# Altium PCB MAINBOARD_PCB.PcbDoc (part 2 of 5)
Units mm, origin at the board's own origin, x right, y up, seen from the top; angles counter-clockwise.
Board outline 480.55 x 38.8 mm, 4 copper layers (Top Layer, Int1 (GND), Int2 (PWR), Bottom Layer), stack 1.547 mm thick; 399 components, 366 nets, 1333 pads, 1063 vias.
Unrouted connection lines stored in the file: 46.
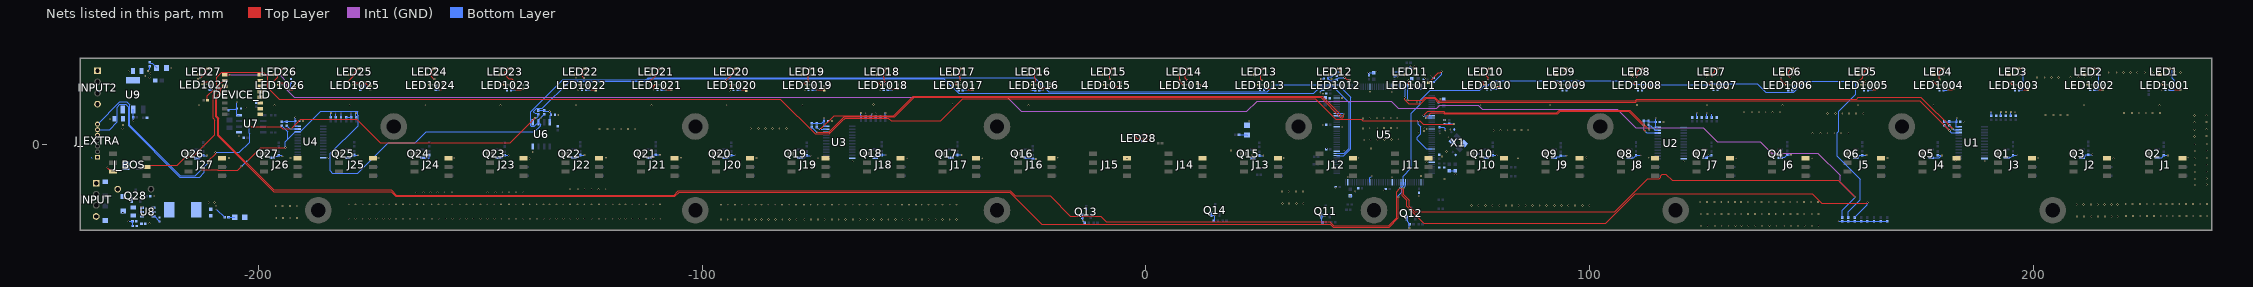
[diagram p4: the nets of this part, all layers, seen from the top]

## Part data
C1 C2 C3 C4 C8 C10 C12 C14 C16 C17 C18 C19 C20 C22 C23 C24 C25 C26 C27 C28 C29 C32 C33 C34 C40 C41 C42 C43 C44 C45 C46 C47 C48 C49 C50 C51 C52 C53 C54 C55 C56 C57 C58 C59 C60 C61 C62 C63 C64 C65: library part CAP_GEN_CER, "100nF 0402 Ceramic Capacitor", Voltage=10V, Part Number=CL05B104KP5NNNC, Place=POP
C5 C6 C7 C9 C11 C13 C15: library part CAP_GEN_CER, "2.2uF 0603 Ceramic Capacitor", Voltage=10V, Part Number=CL10A225KP8NNNC, Place=POP
C21 C37: library part CAP_GEN_CER, "4,7uF 0603 Ceramic Capacitor", Voltage=6.3V, Part Number=CL10A475KP8NNNC, Place=POP
C30 C31: library part CAP_GEN_CER, "18pF 0402 Ceramic Capacitor", Voltage=50V, Part Number=CC0402JRNPO9BN180, Place=POP
C35 C38 C39: library part CAP_GEN_CER, "10uF 0805 Ceramic Capacitor", Voltage=16V, Part Number=CL21A106KOQNNNE, Place=POP
C36: library part CAP_GEN_CER, "100pF 0402 Ceramic Capacitor", Voltage=50V, Part Number=CC0402JRNPO9BN101, Place=POP
C6006 C6007: library part CAP_GEN_CER, "Generic"
D1 D2: "Unidirectional TVS DIODE 200W 16V-17.8V SOD-123", Manufacturer="ANBON SEMI", Operating Temp.="-55°C ~ 150°C", Package=SOD-123F, Power=200W, Tolerance=N/A, Voltage=17.8V, Part Number=SMF16CA, Place=POP
D3: "TVS DIODE 200W 14.4V-15.9V SOD-123", Manufacturer="ANBON SEMI", Operating Temp.="-55°C ~ 150°C", Package=SOD-123F, Power=200W, Tolerance=N/A, Voltage=14.4V, Part Number=SMF13A, Place=POP
D4 D5 D6: library part LED_GEN, Manufacturer=Broadcom, Package=0805, Voltage=3.3V, Part Number=HSMM-C170, Place=POP
DEVICE_ID: "Dip Switch SPST 8 Position Surface Mount Slide (Standard) Actuator 100mA 20VDC", Manufacturer=CST, Operating Temp.="-40°C ~ 85°C", Power=N/A, Package=218-8LPST, Part Number=218-8LPST, Place=POP, Tolerance=N/A, Voltage=N/A
INPUT INPUT2: "CONN HEADER VERT 4POS 2.5MM", Manufacturer=JST, Operating Temp.=N/A, Package=B4B-XH-A, Part Number=B4B-XH-A, Place=POP, Power=N/A, Tolerance=N/A, Voltage=N/A
J1 J2 J3 J4 J5 J6 J7 J8 J9 J10 J11 J12 J13 J14 J15 J16 J17 J18 J19 J20 J21 J22 J23 J24 J25 J26 J27 J_BOS: "CONN EDGE DUAL FMALE 6POS 0.024", Manufacturer="KYOCERA AVX", Operating Temp.=-40~+85, Package=Special, Power=N/A, Part Number=009159006651906, Place=POP, Tolerance=N/A, Voltage=N/A
J_EXTRA: "Connector Header Through Hole 7 position 0.049 (1.25mm)", Package=None, Digi-Key_Part_Number=A99919-ND, DigiKey-Purchase-URL=https://snapeda.com/shop?store=DigiKey&id=2374857, EU_RoHS_Compliance=Compliant, MF="TE Connectivity", Mouser-Purchase-URL=https://snapeda.com/shop?store=Mouser&id=2374857, MP=1734598-7, SnapEDA_Link=https://www.snapeda.com/parts/1734598-7/TE%20Connectivity%20AMP%20Connectors/view-part/2374857/?ref=snap
L1: library part IND_GEN_SMD, "Generic SMD IND/BEAD", Manufacturer=TDK, Operating Temp.="-55°C ~ 125°C", Package=0603, Power=2.2A, Tolerance=N/A, Part Number=MPZ1608S221ATA00, Place=POP, Voltage=N/A
L2: "FIXED IND 10UH 4A 68 MOHM SMD", Current=4, Manufacturer=PULSE, Operating Temp.="-55°C ~ 125°C", Package=IND_YAGEO, Power=N/A, Tolerance=±20%, Part Number=BMRB00060630100MA1, Place=POP
LED1 LED2 LED3 LED4 LED5 LED6 LED7 LED8 LED9 LED10 LED11 LED12 LED13 LED14 LED15 LED16 LED17 LED18 LED19 LED20 LED21 LED22 LED23 LED24 LED25 LED26 LED27 LED28: "ADDRESS LED DISCRETE SERIAL RGB", Manufacturer=Inolux, Operating Temp.="-40°C ~ 85°C", Power=N/A, Package=IN-PI22TAT5R5G5B, Part Number=IN-PI22TAT5R5G5B, Place=P, Tolerance=N/A, Voltage=N/A
LED1001 LED1002 LED1003 LED1004 LED1005 LED1006 LED1007 LED1008 LED1009 LED1010 LED1011 LED1012 LED1013 LED1014 LED1015 LED1016 LED1017 LED1018 LED1019 LED1020 LED1021 LED1022 LED1023 LED1024 LED1025 LED1026 LED1027: "Addressable Lighting series 1 LED Discrete Serial (Shift Register) Red, Green, Blue (RGB) 3.00mm L x 1.00mm W", Package="SMD-4 Everlight Electronics Co Ltd", Availability="In Stock", Check_prices=https://www.snapeda.com/parts/12-23C/RSGHBHW-5V01/2C/Everlight+Electronics+Co+Ltd/view-part/?ref=eda, MF="Everlight Electronics Co Ltd", MP=12-23C/RSGHBHW-5V01/2C, Part Number=12-23C/RSGHBHW-5V01/2C, Place=DNP, Price=None, Purchase-URL=https://pricing.snapeda.com/search/part/12-23C/RSGHBHW-5V01/2C/?ref=eda, SnapEDA_Link=https://www.snapeda.com/parts/12-23C/RSGHBHW-5V01/2C/Everlight+Electronics+Co+Ltd/view-part/?ref=snap
Q1 Q2 Q3 Q4 Q5 Q6 Q7 Q8 Q9 Q10 Q11 Q12 Q13 Q14 Q15 Q16 Q17 Q18 Q19 Q20 Q21 Q22 Q23 Q24 Q25 Q26 Q27 Q28: "P-Channel 30 V 4.1A (Ta) 1.2W (Ta) Surface Mount SOT-23", Manufacturer="Good-Ark Semiconductor", Operating Temp.="-55°C ~ 150°C", Package=SOT-23, Power="1200 mW", Tolerance=N/A, Voltage="30 V", Part Number=GSF3407, Place=POP
R1 R2 R3 R4 R6 R8 R10 R11 R12 R13 R14 R15 R16 R18 R20 R22 R23 R24 R25 R26 R27 R28 R30 R32 R34 R35 R36 R37 R38 R39 R40 R42 R44 R46 R47 R48 R49 R50 R51 R52 R54 R56 R58 R59 R60 R61 R62 R63 R64 R66 R68 R70 R71 R72 R73 R74 R75 R76 R78 R80 R82 R83 R84 R85 R86 R87 R88 R90 R92 R94 R95 R96 R97 R98 R99 R100 R102 R104 R106 R107 R108 R147 R148 R158 R2001 R2002 R2003 R2004 R2005 R2006 R2007 R2008 R2009 R2010 R2011 R2012 R2013 R2014 R2015 R2016 R2017 R2018 R2019 R2020 R2021 R2022 R2023 R2024 R2025 R2026 R2027 R3001: library part RES_GEN_SMD, "Generic Chip Res 100R", Tolerance="5 %", Part Number=RMCF0402JT100R
  R1 R2 R3 R4 R6 R8 R10 R11 R12 R13 R14 R15 R16 R18 R20 R22 R23 R24 R25 R26 R27 R28 R30 R32 R34 R35 R36 R37 R38 R39 R40 R42 R44 R46 R47 R48 R49 R50 R51 R52 R54 R56 R58 R59 R60 R61 R62 R63 R64 R66 R68 R70 R71 R72 R73 R74 R75 R76 R78 R80 R82 R83 R84 R85 R86 R87 R88 R90 R92 R94 R95 R96 R97 R98 R99 R100 R102 R104 R106 R107 R108 R147 R148 R158: Place=POP
  R2001 R2002 R2003 R2004 R2005 R2006 R2007 R2008 R2009 R2010 R2011 R2012 R2013 R2014 R2015 R2016 R2017 R2018 R2019 R2020 R2021 R2022 R2023 R2024 R2025 R2026 R2027 R3001: Place=DNP
R5 R7 R9 R17 R19 R21 R29 R31 R33 R41 R43 R45 R53 R55 R57 R65 R67 R69 R77 R79 R81 R89 R91 R93 R101 R103 R105 R153: library part RES_GEN_SMD, "Generic Chip Res 158k", Package=0402, Tolerance=5%, Part Number=RMCF0402JT100K, Place=POP
R109 R110 R111 R112 R113 R114 R115 R116 R117 R118 R119 R120 R121 R122 R123 R124 R125 R126 R127 R128 R129 R130 R131 R132 R133 R134 R135 R136 R137 R138 R139 R140 R141 R142 R143 R144 R145 R146 R149 R160 R161 R162 R163 R164 R165 R166 R167 R168: library part RES_GEN_SMD, "Generic Chip Res 2k2", Tolerance="5 %", Part Number=RMCF0402JT2K20
  R109 R111 R113 R116 R118 R120 R122 R124 R126 R129 R131 R132 R134 R168: Place=DNP
  R110 R112 R114 R115 R117 R119 R121 R123 R125 R127 R128 R130 R133 R135 R136 R137 R138 R139 R140 R141 R142 R143 R144 R145 R146 R149 R160 R161 R162 R163 R164 R165 R166 R167: Place=POP
R150: "Inrush Current Limiter 5 Ohms ±20% 3 A", Manufacturer=Cantherm, Operating Temp.="-65°C ~ 150°C", Power=N/A, Tolerance=20, Package=MF72-005D9, Part Number=MF72-005D9, Place=DNP, Voltage=N/A
R151: library part RES_GEN_SMD, "Generic Chip Res 158k", Package=0402, Tolerance=1%, Part Number=RMCF0402FT158K, Place=POP
R152 R155 R157: library part RES_GEN_SMD, "Generic Chip Res 3k0", Tolerance="1 %", Part Number=RMCF0402FT3K00, Place=POP
R154: library part RES_GEN_SMD, "Generic Chip Res 30k", Package=0402, Tolerance=5%, Part Number=RMCF0402JT30K0, Place=POP
R156: library part RES_GEN_SMD, "Generic Chip Res 2k0", Tolerance="1 %", Part Number=RMCF0402FT2K00, Place=POP
R1001 R1002: library part RES_GEN_SMD, "Generic Chip Res", Part Number=RMCF0402JT2K20, Place=P
R1150: library part RES_GEN_SMD, "Generic Chip Res 0R"
R_TERM: library part RES_GEN_SMD, "RES 120 OHM 5% 1/2W 0805", Tolerance="5 %", Part Number=ESR10EZPJ121, Place=DNP
U1 U2 U3 U4: "IC BUS SWITCH 1 X 8:1 24TSSOP", Manufacturer="Texas Instruments", Operating Temp.="-40°C ~ 85°C", Package=24-TSSOP, Power=N/A, Part Number=TCA9548APWR, Place=P, Tolerance=N/A, Voltage=N/A
U5: "ARM® Cortex®-M33 STM32H5 Microcontroller IC 32-Bit 250MHz 2MB (2M x 8) FLASH 144-LQFP (20x20) / )", Manufacturer=STM, Operatin Temp.="-40°C ~ 85°", Package=LQFP-144, Power=N/A, Voltage="1.7-3.6 V", Part Number=STM32H563ZIT6, Place=P, Tolerance=N/A
U6: "IC EEPROM 256KBIT I2C 1MHZ 8SO", Manufacturer=STM, Operating Temp.="-40°C ~ 85°C", Package=8-SOIC, Power=N/A, Voltage="1.6V ~ 5.5V", Part Number=M24256E-FMN6TP, Place=POP, Tolerance=N/A
U7: "1/1 Transceiver Half RS422, RS485 8-SOIC", Manufacturer="MaxLinear, Inc.", Operating Temp.="-40°C ~ 85°C", Package=8-SOIC, Power=N/A, Voltage="4.5V ~ 5.5V", Part Number=SP3082EEN-L, Place=POP, Tolerance=N/A
U8: "IC REG BUCK ADJ 2A TSOT23-6 / 3.8V to 32V", Manufacturer="Diodes Incorporated", Operatin Temp.="-40°C ~ 85", Package=TSOT-23-6, Power=N/A, Voltage=ADJ, Part Number=AP63200WU-7, Place=POP, Tolerance=N/A
U9: "IC LDO REG ADJ 1A SOT223", Manufacturer=EVVO, Operating Temp.="-40°C ~ 85°C", Package=SOT-223-3, Power=N/A, Voltage=ADJ, Part Number=AMS1117-ADJ, Place=POP, Tolerance=N/A
X1: library part XTAL-4PINs, "16 MHz ±10ppm Crystal 9pF 40 Ohms 4-SMD, No Lead", Manufacturer="Hefei Jingweite Electronics Co., Ltd.", Operating Temp.="-40°C ~ 125°C", Power=N/A, Tolerance=±10ppm, Part Number=CF4016M00009T1521005, Place=POP, Voltage=N/A

## Free pads (board coordinates)
  round 6 hole 3.2: MP(-186.596,-14.875) MP(-169.596,4) MP(-101.596,-14.875) MP(-101.596,4) MP(-33.596,-14.875) MP(-33.596,4) MP(34.404,4) MP(51.404,-14.875) MP(102.404,4) MP(119.404,-14.875) MP(170.404,4) MP(204.404,-14.875)

## Via types
v1: diameter 0.4, hole 0.2, Top Layer to Bottom Layer, tented both sides, 1063 vias

## Nets (pads, with @x,y where several pads share a name; then routed paths per layer and width w, separated by ;. In a path a pad name is that pad's centre, name@x,y a point inside that pad or via, vN(x,y) a via of type N, cw(c..) or ccw(c..) an arc to the next point about the centre after c; other vN are vias at no path point)
3V3_INT: C1.2 C2.2 C3.2 C4.2 C32.2 C39.2 L1.1 Q1.2 Q2.2 Q3.2 Q4.2 Q5.2 Q6.2 Q7.2 Q8.2 Q9.2 Q10.2 Q11.2 Q12.2 Q13.2 Q14.2 Q15.2 Q16.2 Q17.2 Q18.2 Q19.2 Q20.2 Q21.2 Q22.2 Q23.2 Q24.2 Q25.2 Q26.2 Q27.2 R5.2 R7.2 R9.2 R17.2 R19.2 R21.2 R29.2 R31.2 R33.2 R41.2 R43.2 R45.2 R53.2 R55.2 R57.2 R65.2 R67.2 R69.2 R77.2 R79.2 R81.2 R89.2 R91.2 R93.2 R101.2 R103.2 R105.2 R109.2 R111.2 R113.2 R115.2 R116.2 R118.2 R121.2 R122.2 R124.2 R127.2 R128.2 R129.2 R136.2 R137.2 R138.1 R139.1 R140.1 R141.1 R142.1 R143.1 R144.1 R145.1 R155.2 R156.2 R160.2 R161.2 R162.2 R163.2 R164.2 R165.2 R166.2 R167.2 U1.24 U2.24 U3.24 U4.24 U6.8 U9.2 U9.4 | length 122.5
  Bottom Layer w0.2: U9.2@-228.356,7.886 R156.2@-228.356,6.05 -228.325,6.019 v1(-228.325,5.375) ; v1(-224.981,16.55) -224.556,16.975 R155.2@-224.556,17.625 ; Q26.2@-214.004,-3.112 -213.916,-3.024 -213.056,-3.024 -212.544,-2.512 R105.2@-212.544,-2.487 -212.481,-2.55 v1(-211.706,-2.55) ; Q27.2@-196.991,-3.075 -196.623,-3.075 -196.248,-2.7 -195.706,-2.7 -195.531,-2.525 R103.2@-195.531,-2.5 -194.91,-2.5 -194.735,-2.675 v1(-194.681,-2.675) ; R166.2@-194.806,5.05 -194.3,5.05 -194.125,5.225 C4.2@-191.756,5.225 ; v1(-191.781,6.05) -191.769,6.037 -191.769,5.238 C4.2@-191.756,5.225 ; U4.24@-191.277,4.1 -191.678,4.1 -191.756,4.178 C4.2@-191.756,5.225 ; R129.2@-183.756,6.075 -183.775,6.094 -183.775,7.031 v1(-183.756,7.05) ; R127.2@-181.481,6.075 -181.425,6.131 -181.425,6.969 v1(-181.456,7) ; Q25.2@-179.991,-3.075 -179.853,-2.937 -179.043,-2.937 -178.731,-2.625 -178.706,-2.625 -178.531,-2.45 R101.2@-178.531,-2.425 -178.506,-2.45 v1(-177.681,-2.45) ; R128.2@-178.081,6.075 -178.175,6.169 -178.12,6.224 -178.12,6.987 v1(-178.081,7.025) ; Q24.2@-163.016,-3.075 -161.981,-3.075 v1(-161.581,-3.475) -161.569,-3.463 -161.569,-2.438 R93.2@-161.556,-2.425 ; Q23.2@-146.031,-3.075 -145.993,-3.037 -145.084,-3.037 -144.571,-2.525 R91.2@-144.571,-2.5 v1(-143.656,-2.5) ; R136.2@-136.981,7.6 -136.956,7.625 R137.2@-135.681,7.625 -135.681,7.6 -135.506,7.425 -134.531,7.425 v1(-134.506,7.4) -134.153,7.046 -134.153,6.671 C32.2@-134.131,6.65 -134.281,6.5 -134.281,5.142 U6.8@-134.433,4.99 ; Q22.2@-128.991,-3.075 -128.853,-2.937 -128.043,-2.937 -127.531,-2.425 R89.2@-127.531,-2.4 -127.506,-2.425 v1(-126.581,-2.425) ; Q21.2@-111.966,-3.075 -111.725,-3.075 -111.65,-3 -111.523,-3 -110.898,-2.375 v1(-109.556,-2.375) ; Q20.2@-94.991,-3.075 -94.928,-3.012 -94.043,-3.012 -93.531,-2.5 R79.2@-93.531,-2.475 v1(-92.606,-2.475) ; Q19.2@-77.984,-3.075 -77.921,-3.012 -77.036,-3.012 -76.524,-2.5 R77.2@-76.524,-2.475 -76.424,-2.575 v1(-75.581,-2.575) ; R165.2@-75.331,4.75 -73.081,4.75 C3.2@-72.581,5.25 ; v1(-72.581,5.975) C3.2@-72.581,5.25 ; U3.24@-72.077,4.025 -72.275,4.025 -72.325,4.075 -72.553,4.075 -72.581,4.103 C3.2@-72.581,5.25 ; R124.2@-64.256,6.2 v1(-64.256,7.075) ; R122.2@-62.056,6.2 -61.881,6.375 -61.881,6.74 -61.8,6.821 v1(-61.8,6.875) ; Q18.2@-61.016,-3.025 -60.678,-3.025 -60.053,-2.4 R69.2@-59.556,-2.4 v1(-58.681,-2.4) ; R121.2@-58.756,6.2 -58.744,6.213 -58.744,7.063 v1(-58.731,7.075) ; Q17.2@-43.959,-3.075 -43.59,-3.075 -43.59,-2.917 -43.074,-2.4 R67.2@-42.499,-2.4 -42.492,-2.393 v1(-41.525,-2.393) ; Q16.2@-26.991,-3.075 -26.966,-3.1 -25.719,-3.1 -25.544,-3.275 R65.2@-25.544,-3.3 v1(-24.806,-3.3) ; Q13.2@-14.381,-16.19 -14.27,-16.302 -14.27,-17.162 v1(-14.231,-17.2) R57.2@-13.781,-17.65 ; Q14.2@14.669,-15.79 14.669,-15.896 14.848,-16.075 14.973,-15.95 v1(15.45,-15.95) 15.45,-17.094 R55.2@15.294,-17.25 ; v1(23.919,-2.55) 23.919,-2.979 Q15.2@24.049,-3.109 ; R53.2@25.519,-2.534 25.535,-2.55 v1(26.419,-2.55) ; Q11.2@39.551,-16.103 Q11.2@39.598,-16.15 ; R45.2@40.001,-17.387 39.913,-17.475 39.688,-17.475 39.601,-17.387 39.601,-16.153 Q11.2@39.598,-16.15 ; v1(40.275,-16.15) Q11.2@39.598,-16.15 ; Q12.2@58.825,-16.534 58.963,-16.672 58.963,-17.482 59.275,-17.794 59.275,-17.819 59.45,-17.994 R43.2@59.475,-17.994 59.4,-18.069 v1(59.4,-18.894) ; Q10.2@76.684,-3.075 77.052,-3.075 77.427,-2.7 77.969,-2.7 78.144,-2.525 R41.2@78.144,-2.5 78.169,-2.475 v1(78.994,-2.475) ; Q9.2@92.009,-3.075 92.377,-3.075 92.652,-2.8 93.294,-2.8 93.469,-2.625 R33.2@93.469,-2.6 v1(94.794,-2.6) ; Q8.2@109.009,-3.075 109.097,-2.987 109.957,-2.987 110.494,-2.45 v1(111.544,-2.45) ; R163.2@112.194,5.25 R162.2@113.294,5.25 113.294,5.225 113.469,5.05 C2.2@114.919,5.05 ; v1(114.919,5.95) C2.2@114.919,5.05 ; U2.24@115.373,3.85 114.997,3.85 114.919,3.928 C2.2@114.919,5.05 ; R118.2@124.219,6.025 v1(124.219,7.1) ; Q7.2@126.009,-3.075 126.225,-3.075 v1(126.75,-2.55) 127.419,-2.55 R29.2@127.494,-2.475 ; R115.2@126.419,6.025 v1(126.419,7.05) ; R116.2@127.544,6.025 v1(127.544,6.9) ; Q4.2@143.009,-3.075 143.122,-2.962 143.957,-2.962 144.519,-2.4 R21.2@144.519,-2.375 v1(145.444,-2.375) ; v1(156.044,-17.375) R145.1@156.994,-17.375 R144.1@158.369,-17.375 R143.1@159.794,-17.375 159.819,-17.35 R142.1@161.219,-17.35 R141.1@162.644,-17.35 R140.1@164.119,-17.35 R139.1@165.619,-17.35 R138.1@167.069,-17.35 ; Q6.2@160.009,-3.075 160.019,-3.075 160.044,-3.05 160.402,-3.05 160.752,-2.7 160.752,-2.591 160.894,-2.45 R19.2@161.469,-2.45 161.494,-2.425 v1(162.419,-2.425) ; Q5.2@177.009,-3.075 178.869,-3.075 v1(179.444,-2.5) 178.494,-2.5 R17.2@178.469,-2.475 ; R161.2@179.944,5.15 179.994,5.1 180.994,5.1 R160.2@181.044,5.15 181.094,5.1 C1.2@182.694,5.1 ; v1(182.769,5.95) 182.731,5.913 182.731,5.137 C1.2@182.694,5.1 ; U1.24@183.198,3.95 182.928,3.95 182.85,4.028 182.694,4.028 C1.2@182.694,5.1 ; v1(190.494,7.35) 190.519,7.325 190.519,6.425 R113.2@190.544,6.4 ; R109.2@192.744,6.4 v1(192.744,7.275) ; Q1.2@194.009,-3.075 194.122,-2.962 194.957,-2.962 195.269,-2.65 195.294,-2.65 195.469,-2.475 R9.2@195.469,-2.45 195.494,-2.475 v1(196.419,-2.475) ; R111.2@194.994,6.4 v1(194.994,7.275) ; Q3.2@211.009,-3.075 211.377,-3.075 211.752,-2.7 211.752,-2.466 211.894,-2.325 R7.2@212.469,-2.325 v1(213.319,-2.325) ; Q2.2@228.009,-3.075 228.022,-3.062 228.957,-3.062 229.494,-2.525 R5.2@229.494,-2.5 v1(230.394,-2.5)
  other v1: -224.631,15 -225.638,15.405 -224.481,15.95
5V0_INT: C33.2 C36.1 C37.2 C38.2 C40.2 C41.2 C42.2 C43.2 C44.2 C45.2 C46.2 C47.2 C48.2 C49.2 C50.2 C51.2 C52.2 C53.2 C54.2 C55.2 C56.2 C57.2 C58.2 C59.2 C60.2 C61.2 C62.2 C63.2 C64.2 C65.2 C6006.1 C6007.1 J_EXTRA.1 L2.2 LED1.4 LED2.4 LED3.4 LED4.4 LED5.4 LED6.4 LED7.4 LED8.4 LED9.4 LED10.4 LED11.4 LED12.4 LED13.4 LED14.4 LED15.4 LED16.4 LED17.4 LED18.4 LED19.4 LED20.4 LED21.4 LED22.4 LED23.4 LED24.4 LED25.4 LED26.4 LED27.4 LED28.4 R151.2 R152.2 R1002.1 R2001.2 R2002.2 R2003.2 R2004.1 R2005.1 R2006.1 R2007.1 R2008.1 R2009.1 R2010.1 R2011.1 R2012.1 R2013.1 R2014.1 R2015.1 R2016.1 R2017.1 R2018.1 R2019.1 R2020.1 R2021.1 R2022.1 R2023.1 R2024.1 R2025.1 R2026.1 R2027.1 U7.8 U9.3 | length 180.7
  Top Layer w0.2: v1(-213.277,15.017) -213.239,15.056 -212.987,15.056 -212.334,15.709 -212.334,15.874 -211.825,16.383 -211.825,16.8 -211.625,17 LED27.4@-211.425,17 ; R2027.1@-211.6,9.925 -211.6,10.906 v1(-210.206,12.3) ; v1(-196.606,14.175) -195.697,15.085 -195.697,15.511 -194.825,16.383 -194.825,16.8 -194.625,17 LED26.4@-194.425,17 ; v1(-193.206,12.3) -193.245,12.338 -192.412,12.338 -191.95,12.8 R2026.1@-191.95,12.825 ; v1(-179.956,14.05) -178.45,15.556 -178.45,16.175 -177.625,17 LED25.4@-177.425,17 ; v1(-176.056,13.925) -175.556,13.425 -175.05,13.425 -174.875,13.25 R2025.1@-174.875,13.225 ; LED24.4@-160.425,17 -160.625,17 -161.15,16.475 -161.15,15.335 -160.519,14.704 v1@-160.394,14.704 ; v1(-159.206,12.3) -159.245,12.338 -158.937,12.338 -158.45,12.825 R2024.1@-158.45,12.85 ; LED23.4@-143.425,17 -143.625,17 -144.134,16.491 -144.291,16.491 -144.6,16.183 -144.6,15.792 -143.623,14.815 -142.965,14.815 v1(-142.425,14.275) ; v1(-142.206,12.3) -140.8,12.3 -140.75,12.35 -140.725,12.35 -140.55,12.525 R2023.1@-140.55,12.55 ; v1(-126.706,14.925) -126.733,14.925 -127.125,15.317 -127.125,16.5 -126.625,17 LED22.4@-126.425,17 ; v1@-125.245,12.338 v1(-125.206,12.3) -124.2,12.3 R2022.1@-124.075,12.175 ; v1(-112.356,13.95) -112.318,13.988 -112.054,13.988 -110.334,15.709 -110.334,16.291 -109.625,17 LED21.4@-109.425,17 ; v1(-108.206,12.3) -107.25,12.3 R2021.1@-107.075,12.475 ; v1(-94.775,14.35) -94.737,14.388 -94.654,14.388 -93.334,15.709 -93.334,15.874 -92.825,16.383 -92.825,16.8 -92.625,17 LED20.4@-92.425,17 ; v1(-91.206,12.3) -90.275,12.3 -90.1,12.125 R2020.1@-90.1,12.1 ; v1(-75.9,14.079) -76.125,14.304 -76.125,16.5 -75.625,17 LED19.4@-75.425,17 ; v1(-74.206,12.3) -72.6,12.3 R2019.1@-72.525,12.225 ; v1(-58.756,13.925) -59.025,14.194 -59.025,14.974 -59.175,15.124 -59.175,16.05 -58.825,16.4 -58.825,16.8 -58.625,17 LED18.4@-58.425,17 ; v1(-57.206,12.3) -57.152,12.3 -57.077,12.375 -56.1,12.375 -55.925,12.55 R2018.1@-55.925,12.575 ; v1(-41.881,14.125) -41.881,15.073 -42.125,15.317 -42.125,16.35 -41.8,16.675 ; v1(-40.206,12.3) -39.225,12.3 R2017.1@-39.075,12.45 ; v1(-24.85,13.975) -24.85,14.65 -25.125,14.925 -25.125,16.5 -24.625,17 LED16.4@-24.425,17 ; v1(-23.206,12.3) -23.206,12.619 -22.975,12.85 R2016.1@-21.6,12.85 ; v1(-8.131,14.7) -8.131,16.077 -7.825,16.383 -7.825,16.8 -7.625,17 LED15.4@-7.425,17 ; v1(-6.825,13.025) -5.77,13.025 R2015.1@-5.7,13.095 ; v1(-2.675,2) -1.925,1.25 C6006.1@-0.475,1.25 ; v1(9.319,14.392) 8.875,14.836 8.875,16.5 9.375,17 LED14.4@9.575,17 ; R2014.1@11.525,13.625 11.546,13.604 12.021,13.604 v1(12.375,13.25) ; v1(26.125,14.454) 25.875,14.704 25.875,16.5 26.375,17 LED13.4@26.575,17 ; v1(27.275,12.4) 28.4,12.4 R2013.1@28.6,12.6 ; LED12.4@43.575,17 43.744,16.831 v1(43.744,16.325) ; v1(44.777,15.026) 44.849,15.026 45.375,14.5 45.725,14.5 45.9,14.325 R2012.1@45.9,14.3 ; v1(60.475,17.575) 60.475,17.1 LED11.4@60.575,17 ; R2011.1@63.7,13.875 63.725,13.875 65.922,16.072 66.3,16.072 v1(66.653,16.426) ; v1(77.175,14.525) 77.167,14.533 77.167,15.025 76.875,15.317 76.875,16.15 77.2,16.475 77.2,16.8 77.4,17 LED10.4@77.575,17 ; R2010.1@79.075,12.85 79.075,12.875 79.25,13.05 79.696,13.05 79.821,13.175 v1(79.875,13.175) ; v1(94.375,16.333) 94.375,16.8 LED9.4@94.575,17 ; v1(96.125,13.103) 96.179,13.103 96.326,13.25 96.875,13.25 97.05,13.425 R2009.1@97.05,13.45 ; v1(110.775,15) 110.775,16.4 111.375,17 LED8.4@111.575,17 ; v1(112.9,13.1) 113.275,12.725 R2008.1@113.95,12.725 ; v1(127.681,15.201) 127.681,15.906 128.175,16.4 128.175,16.8 128.375,17 LED7.4@128.575,17 ; v1(130.2,12.85) 130.22,12.87 130.95,12.87 131.125,12.695 R2007.1@131.125,12.67 ; v1(145.332,15.001) 145.278,15.001 145.098,15.18 145.011,15.18 144.875,15.317 144.875,16.5 145.375,17 LED6.4@145.575,17 ; v1(147,13.9) 147.875,13.9 148.05,13.725 R2006.1@148.05,13.7 ; v1(160.844,14.325) 161.55,15.031 161.55,15.3 161.875,15.625 161.875,16.325 162.175,16.625 162.175,16.8 162.375,17 LED5.4@162.575,17 ; v1(163.794,12.3) 164.525,12.3 164.575,12.35 164.6,12.35 164.775,12.525 R2005.1@164.775,12.55 ; v1(179.019,14.575) 179.019,14.629 178.875,14.773 178.875,16.444 179.175,16.744 179.175,16.8 179.375,17 LED4.4@179.575,17 ; v1(180.794,12.3) 181.775,12.3 181.85,12.375 181.875,12.375 182.05,12.55 R2004.1@182.05,12.575 ; LED3.4@196.575,17 196.6,16.975 v1(197.446,16.975) ; v1(197.794,12.3) 198.8,12.3 R2003.2@198.825,12.275 ; LED2.4@213.575,17 213.625,17.05 v1(214.621,17.05) ; v1(214.794,12.3) 215.5,12.3 R2002.2@215.675,12.475 ; LED1.4@230.575,17 230.625,17.05 v1(231.396,17.05) ; v1(231.821,12.3) 233.1,12.3 R2001.2@233.2,12.4
  Bottom Layer w0.2: -237.825,-2.929 -237.635,-3.119 ; v1(-229.406,-17.35) R151.2@-228.481,-17.35 -228.456,-17.375 C36.1@-228.456,-18.4 ; C46.2@-211.156,12.25 -211.131,12.275 -210.231,12.275 v1(-210.206,12.3) ; v1(-209.606,-14.625) -207.731,-16.5 R152.2@-207.706,-16.5 ; R1002.1@-206.85,7.65 -206.85,7.675 -206.675,7.85 -205.181,7.85 C33.2@-204.956,8.075 ; v1(-204.931,9.45) -204.944,9.437 -204.944,8.087 C33.2@-204.956,8.075 ; U7.8@-204.472,6.523 -204.79,6.523 -204.956,6.689 C33.2@-204.956,8.075 ; v1(-193.206,12.3) -192.775,12.731 C6007.1@-192.775,13.8 ; C64.2@-177.131,12.25 -176.875,12.25 -176.056,13.069 v1(-176.056,13.925) ; C65.2@-160.131,12.25 -160.106,12.275 -159.231,12.275 v1(-159.206,12.3) ; C58.2@-143.156,12.175 -143.07,12.262 -142.245,12.262 v1(-142.206,12.3) ; C59.2@-126.231,12.225 -126.194,12.263 -125.244,12.263 v1(-125.206,12.3) ; C60.2@-109.231,12.3 v1(-108.206,12.3) ; C61.2@-92.106,12.25 -91.556,12.25 -91.545,12.262 -91.245,12.262 v1(-91.206,12.3) ; C62.2@-75.181,12.225 -75.144,12.263 -74.244,12.263 v1(-74.206,12.3) ; C63.2@-58.206,12.225 -58.169,12.263 -57.244,12.263 v1(-57.206,12.3) ; C52.2@-41.331,12.2 -41.27,12.262 -40.245,12.262 v1(-40.206,12.3) ; C53.2@-24.056,12.15 -23.906,12.3 v1(-23.206,12.3) ; C56.2@26.594,12.275 26.68,12.362 27.237,12.362 v1(27.275,12.4) ; v1@43.7,16.325 42.909,16.325 41.847,15.263 41.138,15.263 41,15.125 C57.2@41,14.85 41.55,14.3 42.227,14.3 42.444,14.517 42.986,14.517 C54.2@42.994,14.525 43.494,15.026 v1(44.777,15.026) ; C55.2@64.875,14.025 66.653,15.803 v1(66.653,16.426) ; C48.2@77.775,12.375 79.075,12.375 v1(79.875,13.175) ; C49.2@94.819,12.175 95.419,12.775 95.797,12.775 v1(96.125,13.103) ; C50.2@111.844,12.2 112.39,12.746 112.546,12.746 v1(112.9,13.1) ; C51.2@128.844,12.25 129.444,12.85 v1(130.2,12.85) ; C40.2@145.694,12.175 145.825,12.306 145.825,12.725 v1(147,13.9) ; C41.2@162.769,12.15 162.919,12.3 v1(163.794,12.3) ; C42.2@179.794,12.15 180.59,12.15 180.74,12.3 v1(180.794,12.3) ; C43.2@196.819,12.2 196.88,12.262 197.755,12.262 v1(197.794,12.3) 197.832,12.338 197.794,12.377 197.794,16.606 v1@197.475,16.925 ; C44.2@213.794,12.225 213.831,12.263 214.756,12.263 v1(214.794,12.3) 214.794,16.806 v1@214.6,17 ; C45.2@230.744,12.25 230.769,12.225 231.746,12.225 v1(231.821,12.3) 231.821,14.454 231.375,14.9 v1@231.375,17
  other v1: -209.656,-13.85 -211.306,-13.1 -209.981,-13.1 -230.731,3.5 -230.656,4.375 -160.401,14.729 57.95,16.35
12V0_PWIN: INPUT2.1 INPUT.1 R150.1 R1150.1
GND: C1.1 C2.1 C3.1 C4.1 C5.1 C6.1 C7.2 C8.1 C9.1 C10.2 C11.1 C12.2 C13.1 C14.2 C15.1 C16.2 C17.2 C18.2 C19.2 C20.2 C21.1 C22.2 C23.2 C24.2 C25.2 C26.2 C27.2 C28.2 C29.1 C30.2 C31.2 C32.1 C33.1 C35.1 C37.1 C38.1 C39.1 C40.1 C41.1 C42.1 C43.1 C44.1 C45.1 C46.1 C47.1 C48.1 C49.1 C50.1 C51.1 C52.1 C53.1 C54.1 C55.1 C56.1 C57.1 C58.1 C59.1 C60.1 C61.1 C62.1 C63.1 C64.1 C65.1 C6006.2 C6007.2 D1.2 D2.2 D3.2 D4.C D5.C D6.C DEVICE_ID.9 DEVICE_ID.10 DEVICE_ID.11 DEVICE_ID.12 DEVICE_ID.13 DEVICE_ID.14 DEVICE_ID.15 DEVICE_ID.16 INPUT2.4 INPUT.4 J1.2 J2.2 J3.2 J4.2 J5.2 J6.2 J7.2 J8.2 J9.2 J10.2 J11.2 J12.2 J13.2 J14.2 J15.2 J16.2 J17.2 J18.2 J19.2 J20.2 J21.2 J22.2 J23.2 J24.2 J25.2 J26.2 J27.2 J_BOS.5 J_EXTRA.5 LED1.2 LED2.2 LED3.2 LED4.2 LED5.2 LED6.2 LED7.2 LED8.2 LED9.2 LED10.2 LED11.2 LED12.2 LED13.2 LED14.2 LED15.2 LED16.2 LED17.2 LED18.2 LED19.2 LED20.2 LED21.2 LED22.2 LED23.2 LED24.2 LED25.2 LED26.2 LED27.2 LED28.2 LED1001.2 LED1002.2 LED1003.2 LED1004.2 LED1005.2 LED1006.2 LED1007.2 LED1008.2 LED1009.2 LED1010.2 LED1011.2 LED1012.2 LED1013.2 LED1014.2 LED1015.2 LED1016.2 LED1017.2 LED1018.2 LED1019.2 LED1020.2 LED1021.2 LED1022.2 LED1023.2 LED1024.2 LED1025.2 LED1026.2 LED1027.2 R110.2 R112.2 R114.2 R117.2 R119.2 R120.2 R123.2 R125.2 R126.2 R130.2 R131.2 R132.2 R133.1 R146.1 R149.1 R153.1 R154.1 R157.1 R1001.2 U1.12 U2.12 U3.12 U4.12 U5.16 U5.31 U5.38 U5.51 U5.61 U5.71 U5.83 U5.94 U5.107 U5.120 U5.130 U5.143 U6.4 U7.5 U8.4 X1.2 X1.4 | length 45.3
  Top Layer w0.2: v1(-234.181,-5.175) -234.181,-5.246 -233.303,-6.125 J_BOS.5@-232.896,-6.125 ; LED1027.2@-212.65,13.52 -212.545,13.52 -211.94,14.125 v1(-211.275,14.125) ; LED1026.2@-195.65,13.42 -195.545,13.42 -195.04,13.925 v1(-194.181,13.925) ; v1(-192.831,15.225) v1@-192.803,15.197 ; LED1025.2@-178.65,13.42 -178.545,13.42 -178.04,13.925 v1(-177.181,13.925) ; v1(-145.1,13.75) -145.085,13.75 -144.755,13.42 LED1023.2@-144.65,13.42 ; LED1022.2@-127.65,13.42 -127.588,13.358 -127.588,13.163 v1(-127.55,13.125) ; v1(-110.956,12.275) -110.956,13.114 -110.825,13.245 -110.825,13.35 -110.755,13.42 LED1021.2@-110.65,13.42 ; v1(-93.856,12.15) -93.856,12.744 -93.6,13 -93.6,13.37 LED1020.2@-93.65,13.42 ; v1(-77.156,13.825) -76.751,13.42 LED1019.2@-76.65,13.42 ; v1(-60.2,14.1) -60.2,13.865 -59.755,13.42 LED1018.2@-59.65,13.42 ; v1(-42.95,14.025) -42.95,13.971 -42.825,13.846 -42.825,13.49 -42.755,13.42 LED1017.2@-42.65,13.42 ; v1(-0.675,0.7) -0.612,0.763 0.038,0.763 0.25,0.975 0.25,1.925 0.025,2.15 C6006.2@-0.475,2.15 ; LED14.2@7.575,15.7 7.65,15.625 v1(7.65,14.373) 7.688,14.335 7.688,13.976 8.245,13.42 LED1014.2@8.35,13.42 ; v1(59.203,14.376) 59.263,14.315 59.263,13.49 59.333,13.42 LED1011.2@59.35,13.42 ; v1(76.025,14.075) 76.025,14.021 76.175,13.871 76.175,13.49 76.245,13.42 LED1010.2@76.35,13.42 ; v1(93.025,13.925) 93.025,13.603 93.208,13.42 LED1009.2@93.35,13.42 ; LED8.2@109.575,15.7 109.7,15.575 v1(109.7,15.1) ; v1(109.8,13.95) 109.838,13.912 109.838,13.826 110.245,13.42 LED1008.2@110.35,13.42 ; v1(126.875,13.825) 126.875,13.79 127.245,13.42 LED1007.2@127.35,13.42 ; v1(143.182,15.001) 143.182,14.483 144.245,13.42 LED1006.2@144.35,13.42 ; LED1005.2@161.35,13.42 161.455,13.42 161.821,13.787 161.821,13.821 v1(162.175,14.175) ; v1(177.45,14.275) 177.45,14.247 177.79,13.908 177.79,13.875 178.245,13.42 LED1004.2@178.35,13.42 ; v1(182.525,-3.725) 182.525,-3.454 182.45,-3.379 J4.2@182.704,-3.125 ; v1(194.775,13.95) 195.129,13.596 195.129,13.536 195.245,13.42 LED1003.2@195.35,13.42 ; v1(228.894,13.775) 228.894,13.771 229.245,13.42 LED1001.2@229.35,13.42
  Bottom Layer w0.2: v1(-182.65,7) -182.641,6.991 -182.641,6.084 R130.2@-182.631,6.075 ; R131.2@-180.331,6.075 R132.2@-179.181,6.075 -179.191,6.084 -179.191,6.991 v1(-179.2,7) ; v1(-25.881,12.25) -25.843,12.212 -25.018,12.212 C53.1@-24.956,12.15 ; v1(39.269,11.675) 39.286,11.692 39.286,11.817 C21.1@39.869,12.4 ; v1(39.419,14.725) 39.457,14.763 40.013,14.763 C57.1@40.1,14.85 ; v1(46.019,-11.625) 46.45,-11.625 ; 47.234,-10.842 47.258,-10.842 ; C25.2@50.3,15.55 50.182,15.668 50.182,16.112 v1(50.144,16.15) C7.2@51.319,16.15 ; U5.61@50.494,-8.519 50.494,-7.584 v1(50.902,-7.175) ; v1(55.969,16.3) 55.994,16.325 57.025,16.325 C47.1@57.05,16.35 ; C27.2@55.994,15.325 56.019,15.3 56.756,15.3 v1(56.781,15.275) ; v1(59.203,14.376) 59.257,14.376 59.331,14.45 59.619,14.45 C6.1@59.919,14.75 ; C8.1@66.144,3.85 C8.1@66.175,3.85 67.15,3.85 67.444,3.556 v1(67.444,3.025) ; C15.1@68.369,-6 C13.1@69.669,-6
  other v1: 125.119,-18.35 126.644,-18.35 128.294,-18.35 129.819,-18.35 131.394,-18.35 132.919,-18.35 134.269,-18.35 135.794,-18.35 137.369,-18.35 138.894,-18.35 140.544,-18.35 142.069,-18.35 143.869,-18.35 145.394,-18.35 146.969,-18.35 148.494,-18.35 150.144,-18.35 151.669,-18.35 -224.681,-17.825 -95.806,-16.95 -94.281,-16.95 -92.631,-16.95 -91.106,-16.95 -89.531,-16.95 -88.006,-16.95 -86.656,-16.95 -85.131,-16.95 -83.556,-16.95 -82.031,-16.95 -80.381,-16.95 -78.856,-16.95 -77.056,-16.95 -75.531,-16.95 -73.956,-16.95 -72.431,-16.95 -70.781,-16.95 -69.256,-16.95 -67.731,-16.95 -66.081,-16.95 -64.556,-16.95 -62.981,-16.95 -61.456,-16.95 -59.656,-16.95 -58.131,-16.95 -56.481,-16.95 -54.956,-16.95 -53.381,-16.95 -51.856,-16.95 -50.506,-16.95 -48.981,-16.95 -47.406,-16.95 -45.881,-16.95 -44.231,-16.95 -42.706,-16.95 -179.731,-16.8 -178.206,-16.8 -176.556,-16.8 -175.031,-16.8 -173.456,-16.8 -171.931,-16.8 -170.581,-16.8 -169.056,-16.8 -167.481,-16.8 -165.956,-16.8 -164.306,-16.8 -162.781,-16.8 -160.981,-16.8 -159.456,-16.8 -157.881,-16.8 -156.356,-16.8 -154.706,-16.8 -153.181,-16.8 -151.656,-16.8 -150.006,-16.8 -148.481,-16.8 -146.906,-16.8 -145.381,-16.8 -143.581,-16.8 -142.056,-16.8 -140.406,-16.8 -138.881,-16.8 -137.306,-16.8 -135.781,-16.8 -134.431,-16.8 -132.906,-16.8 -131.331,-16.8 -129.806,-16.8 -128.156,-16.8 -126.631,-16.8 -124.956,-16.8 -123.306,-16.8 -121.781,-16.8 -120.206,-16.8 -118.681,-16.8 -117.331,-16.8 -115.806,-16.8 -114.231,-16.8 -112.706,-16.8 -111.056,-16.8 -109.531,-16.8 -196.106,-16.6 -194.581,-16.6 -192.931,-16.6 -191.406,-16.6 209.919,-16.3 211.444,-16.3 213.094,-16.3 214.619,-16.3 216.194,-16.3 217.719,-16.3 219.069,-16.3 220.969,-16.175 222.494,-16.175 224.144,-16.175 225.669,-16.175 227.244,-16.175 228.769,-16.175 230.119,-16.175 231.469,-16.175 232.994,-16.175 234.569,-16.175 236.094,-16.175 237.744,-16.175 239.269,-16.175 125.044,-15.7 126.569,-15.7 128.219,-15.7 129.744,-15.7 131.319,-15.7 132.844,-15.7 134.194,-15.7 135.719,-15.7 137.294,-15.7 138.819,-15.7 140.469,-15.7 141.994,-15.7 143.794,-15.7 145.319,-15.7 146.894,-15.7 148.419,-15.7 150.069,-15.7 151.594,-15.7 -230.681,-15.425 -196.181,-13.9 -194.656,-13.9 -193.006,-13.9 -191.481,-13.9 73.369,-13.775 74.894,-13.775 76.544,-13.775 78.069,-13.775 79.644,-13.775 81.169,-13.775 82.519,-13.775 84.044,-13.775 85.619,-13.775 87.144,-13.775 88.794,-13.775 90.319,-13.775 92.119,-13.775 93.644,-13.775 95.219,-13.775 96.744,-13.775 98.394,-13.775 99.919,-13.775 -95.831,-13.65 -94.306,-13.65 -92.656,-13.65 -91.131,-13.65 -89.556,-13.65 -88.031,-13.65 -86.681,-13.65 -85.156,-13.65 -83.581,-13.65 -82.056,-13.65 -80.406,-13.65 -78.881,-13.65 -77.081,-13.65 -75.556,-13.65 -73.981,-13.65 -72.456,-13.65 -70.806,-13.65 -69.281,-13.65 -67.756,-13.65 -66.106,-13.65 -64.581,-13.65 -63.006,-13.65 -61.481,-13.65 -59.681,-13.65 -58.156,-13.65 -56.506,-13.65 -54.981,-13.65 -53.406,-13.65 -51.881,-13.65 -50.531,-13.65 -49.006,-13.65 -47.431,-13.65 -45.906,-13.65 -44.256,-13.65 -42.731,-13.65 209.844,-13.6 211.369,-13.6 213.019,-13.6 214.544,-13.6 216.119,-13.6 217.644,-13.6 218.994,-13.6 -179.756,-13.5 -178.231,-13.5 -176.581,-13.5 -175.056,-13.5 -173.481,-13.5 -171.956,-13.5 -170.606,-13.5 -169.081,-13.5 -167.506,-13.5 -165.981,-13.5 -164.331,-13.5 -162.806,-13.5 -161.006,-13.5 -159.481,-13.5 -157.906,-13.5 -156.381,-13.5 -154.731,-13.5 -153.206,-13.5 -151.681,-13.5 -150.031,-13.5 -148.506,-13.5 -146.931,-13.5 -145.406,-13.5 -143.606,-13.5 -142.081,-13.5 -140.431,-13.5 -138.906,-13.5 -137.331,-13.5 -135.806,-13.5 -134.456,-13.5 -132.931,-13.5 -131.356,-13.5 -129.831,-13.5 -128.181,-13.5 -126.656,-13.5 -124.981,-13.5 -123.331,-13.5 -121.806,-13.5 -120.231,-13.5 -118.706,-13.5 -117.356,-13.5 -115.831,-13.5 -114.256,-13.5 -112.731,-13.5 -111.081,-13.5 -109.556,-13.5 220.894,-13.475 222.419,-13.475 224.069,-13.475 225.594,-13.475 227.169,-13.475 228.694,-13.475 230.044,-13.475 231.394,-13.475 232.919,-13.475 234.494,-13.475 236.019,-13.475 237.669,-13.475 239.194,-13.475 30.744,-13.325 32.269,-13.325 33.919,-13.325 35.444,-13.325 124.969,-13 126.494,-13 128.144,-13 129.669,-13 131.244,-13 132.769,-13 134.119,-13 135.644,-13 137.219,-13 138.744,-13 140.394,-13 141.919,-13 143.719,-13 145.244,-13 146.819,-13 148.344,-13 149.994,-13 151.519,-13 -223.581,-11.675 61.494,-11.675 -164.506,-10.825 -162.856,-10.825 -161.331,-10.825 -159.756,-10.825 -158.231,-10.825 -156.431,-10.825 -148.481,-10.825 -146.681,-10.825 -145.156,-10.825 -143.581,-10.825 -142.056,-10.825 -140.406,-10.825 30.669,-10.625 32.194,-10.625 33.844,-10.625 35.369,-10.625 47.129,-10.594 53.73,-10.359 -129.856,-10.15 -128.056,-10.15 -126.531,-10.15 -124.956,-10.15 -123.431,-10.15 -121.781,-10.15 42.802,-9.775 236.419,-9.15 239.119,-9.075 67.269,-7.85 236.419,-7.8 239.119,-7.725 55.453,-7.425 45.494,-7.375 62.028,-7.175 69.769,-6.75 236.419,-6.275 239.119,-6.2 236.419,-4.7 239.119,-4.625 63.219,-4.05 -66.131,-3.85 121.219,-3.85 189.094,-3.775 -138.931,-3.225 -4.246,-3.175 236.419,-3.175 -73.931,-3.15 218.144,-3.15 -53.831,-3.125 -36.931,-3.125 83.869,-3.125 133.069,-3.125 150.219,-3.125 -206.731,-3.1 -173.031,-3.1 -87.831,-3.1 31.077,-3.1 239.119,-3.1 -192.842,-3.075 -155.956,-3.075 167.194,-3.075 201.169,-3.075 -121.756,-3.05 -104.806,-3.05 -19.881,-3.05 113.369,-3.05 234.994,-3.05 -184.281,-3.025 47.977,-3.025 99.244,-2.95 66.75,-2.725 -138.231,-1.75 67.769,-1.6 236.419,-1.525 44.702,-1.475 239.119,-1.45 19.194,-1.375 50.719,-0.95 40.651,-0.9 236.419,0 239.119,0.075 49.2,0.95 50.569,1.025 52.219,1.025 53.744,1.075 55.319,1.075 56.844,1.125 68.119,1.575 236.394,1.775 239.094,1.85 -204.556,1.875 66.2,2.35 150.244,2.475 152.044,2.475 153.569,2.475 155.144,2.475 156.669,2.475 158.319,2.475 61.375,2.85 62.694,2.975 78.394,3.1 79.919,3.15 81.569,3.15 83.094,3.2 84.669,3.2 86.194,3.25 236.394,3.3 68.575,3.325 239.094,3.375 -123.206,3.425 -121.406,3.425 -119.881,3.425 -118.306,3.425 -116.781,3.425 -115.131,3.425 63.319,3.45 48.944,3.55 -89.131,3.575 -87.331,3.575 -85.806,3.575 -84.231,3.575 -82.706,3.575 -81.056,3.575 50.469,3.6 52.119,3.6 62.725,3.625 53.644,3.65 55.219,3.65 56.653,3.7 44.244,3.925 39.844,4.35 236.394,4.95 239.094,5.025 116.644,5.05 184.344,5.1 -190.081,5.225 23.294,5.225 -70.806,5.275 67.319,5.5 -233.556,5.625 48.894,5.8 50.419,5.85 52.069,5.85 53.594,5.9 55.169,5.9 56.653,5.95 236.394,6.475 239.094,6.55 -132.531,6.625 202.819,6.625 204.619,6.625 206.144,6.625 207.719,6.625 153.619,6.95 155.419,6.95 156.944,6.95 158.519,6.95 160.044,6.95 161.694,6.95 -63.156,7 -60.931,7 220.469,7.025 222.269,7.025 223.794,7.025 225.369,7.025 226.894,7.025 228.611,7.075 134.844,7.2 136.644,7.2 138.169,7.2 139.744,7.2 141.269,7.2 142.919,7.2 195.925,7.225 193.875,7.25 -202.975,8.225 -213.506,8.775 -196.506,8.775 -179.506,8.775 -162.506,8.775 -145.506,8.775 -128.506,8.775 -111.506,8.775 -94.506,8.775 -77.506,8.775 -26.506,8.775 75.494,8.775 126.494,8.775 143.494,8.775 160.494,8.775 177.494,8.775 211.494,8.775 228.494,8.775 91.15,8.825 110.7,8.85 -61.456,8.95 -43.575,9 61.025,9.55 66.369,10.231 44.169,10.425 39.877,11.376 -203.175,11.6 55.4,11.8 50.519,11.825 229.019,12.175 -76.956,12.225 -127.981,12.25 -59.906,12.25 76.275,12.65 25.475,13.15 212.125,13.875 -160.181,13.925 41.85,14.7 -213.725,14.725 62.825,14.825 -128.475,15 126.181,15.001 200.844,15.05 202.644,15.05 204.169,15.05 205.744,15.05 208.444,15.1 210.244,15.1 211.769,15.1 213.344,15.1 64.303,15.451 24.575,15.475 93.033,15.641 229.686,16.051 217.069,16.175 218.869,16.175 220.394,16.175 221.969,16.175 223.494,16.175 225.144,16.175 226.944,16.175 228.469,16.175 233.219,16.175 231.9,16.4 -229.356,16.45 52.15,16.475 -219.756,17.175 59.825,17.7
I2C_SCL-1: R161.1 U1.22 U5.136 | length 133.8
  Top Layer w0.2: v1(58.313,10.563) 58.313,10.047 59.209,9.15 61.928,9.15 63.128,10.35 64.979,10.35 65.804,9.525 110.385,9.525 110.685,9.825 174.419,9.825 v1(181.119,3.125)
  Bottom Layer w0.2: v1(58.313,10.563) 58.313,10.617 58.488,10.792 58.488,12.837 58.494,12.843 U5.136@58.494,12.919 ; R161.1@179.944,4.3 179.944,4.275 181.094,3.125 v1(181.119,3.125) 181.594,2.65 U1.22@183.198,2.65
I2C_SCL-2: R163.1 U2.22 U5.11 | length 58.7
  Top Layer w0.2: v1(63.081,5.938) 64.294,7.15 66.966,7.15 67.266,6.85 92.825,6.85 93.375,7.4 108.85,7.4 112.277,3.973 112.277,3.196 112.531,2.942 v1(112.531,2.888)
  Bottom Layer w0.2: v1(63.081,5.938) 63.087,5.944 64.456,5.944 U5.11@64.463,5.95 ; R163.1@112.194,4.4 112.194,3.257 112.531,2.92 v1(112.531,2.888) 112.563,2.888 112.901,2.55 U2.22@115.373,2.55
I2C_SCL-3: R165.1 U3.22 U5.100 | length 129.9
  Top Layer w0.2: v1(-74.181,2.725) -71.488,2.725 -68.042,6.171 -56.611,6.171 -52.231,10.55 39.368,10.55 43.893,6.025 44.334,6.025 44.577,6.268 v1(44.577,6.825)
  Bottom Layer w0.2: R165.1@-75.331,3.9 -75.331,3.875 v1(-74.181,2.725) U3.22@-72.077,2.725 ; U5.100@43.025,6.95 44.398,6.95 44.523,6.825 v1(44.577,6.825)
I2C_SCL-4: J_EXTRA.7 R137.1 R166.1 U4.22 U5.81 U6.6 | length 364.2
  Top Layer w0.2: v1(-213,-5.775) -209.326,-5.775 -209.281,-5.82 -204.745,-5.82 v1@-203.875,-4.95 ; v1@-202.475,-3.675 -199.55,-0.75 v1(-194,-0.75)
  Bottom Layer w0.2: J_EXTRA.7@-236.375,4.545 -231.345,9.575 -229.75,9.575 -229.056,8.881 -229.056,4.261 -217.67,-7.125 -214.375,-7.125 v1@-212.975,-5.725 ; v1(-203.9,-4.9) -203.862,-4.862 -203.712,-4.862 v1(-202.6,-3.75) ; R166.1@-194.806,4.2 -194.806,4.175 -193.45,2.819 -193.45,1.174 ; v1(-194,-0.75) -194,0.624 -193.45,1.174 ; R137.1@-135.681,6.775 -135.681,6.75 -136.453,5.978 v1(-136.453,5.953) -136.973,5.432 U6.6@-136.973,4.99 ; U5.81@43.025,-2.55 44.617,-2.55 46.127,-1.04 46.127,10.626 44.654,12.099 44.654,12.123 43.377,13.4 28.95,13.4 27.375,11.825 -21.9,11.825 -25.125,15.05 -112.246,15.05 -112.771,14.525 -131.475,14.525 -138.71,7.29 -138.71,4.199 -138.592,4.082 -137.894,4.082 -137.376,4.6 -137.14,4.6 -136.973,4.766 U6.6@-136.973,4.99 ; -193.45,1.174 -192.682,1.943 -192.682,1.954 -191.836,2.8 U4.22@-191.277,2.8 -190.718,2.8 -186.068,7.45 -177.773,7.45 -177.681,7.358 -177.681,6.533 -177.606,6.458 -177.606,4.223 -183.881,-2.052 -183.881,-3.191 -183.956,-3.266 -183.956,-5.991 -183.422,-6.525 -177.672,-6.525 -170.847,0.3 -164.795,0.3 -162.245,2.85 -137.875,2.85 -136.5,4.225 -136.5,4.517 U6.6@-136.973,4.99
I2C_SDA-1: R160.1 U1.23 U5.137 | length 132.4
  Top Layer w0.2: v1(58.928,10) 58.978,9.95 62.304,9.95 63.004,10.65 65.103,10.65 65.928,9.825 110.261,9.825 110.611,10.175 160.187,10.175 160.612,10.6 174.719,10.6 v1(181.844,3.475)
  Bottom Layer w0.2: v1(58.928,10) 58.994,10.066 U5.137@58.994,12.919 ; R160.1@181.044,4.3 181.044,4.275 v1(181.844,3.475) 181.898,3.475 182.073,3.3 U1.23@183.198,3.3
I2C_SDA-2: R162.1 U2.23 U5.10 | length 58.8
  Top Layer w0.2: v1(62.544,6.45) 63.544,7.45 67.09,7.45 67.39,7.15 92.6,7.15 93.15,7.7 109.031,7.7 v1(113.406,3.325)
  Bottom Layer w0.2: v1(62.544,6.45) U5.10@64.463,6.45 ; R162.1@113.294,4.4 R162.1@113.506,4.187 ; v1(113.406,3.325) 113.444,3.363 113.444,3.818 113.506,3.88 R162.1@113.506,4.187 ; U2.23@115.373,3.2 114.814,3.2 113.826,4.187 R162.1@113.506,4.187
I2C_SDA-3: R164.1 U3.23 U5.99 | length 126
  Top Layer w0.2: v1(-73.406,3.375) -70.311,6.471 -56.876,6.471 -52.497,10.85 39.744,10.85 v1(44.169,6.425)
  Bottom Layer w0.2: R164.1@-74.181,3.9 -74.181,3.875 -73.72,3.413 -73.445,3.413 v1(-73.406,3.375) U3.23@-72.077,3.375 ; U5.99@43.025,6.45 43.037,6.438 44.156,6.438 v1(44.169,6.425)
I2C_SDA-4: J_EXTRA.6 R136.1 R167.1 U4.23 U5.82 U6.5 | length 337.4
  Top Layer w0.2: v1(-211.475,-4.25) -211.475,-3.822 -209.65,-1.997 ; v1(-202.2,4.525) -201.682,4.007 -195.224,4.007 -194.667,3.45 v1(-192.706,3.45) -190.531,5.625 -177.906,5.625 -172.681,0.4 -143.276,0.4 v1(-137.723,5.953)
  Bottom Layer w0.2: J_EXTRA.6@-236.375,3.3 -233.673,3.3 -231.931,5.042 -231.931,8.383 -231.328,8.986 -229.978,8.986 -229.356,8.364 -229.356,4.137 -217.795,-7.425 -213.375,-7.425 -212.3,-6.35 -212.3,-5.075 v1(-211.475,-4.25) v1@-211.475,-4.15 ; v1(-209.775,-1.825) -204.375,-1.825 -202.075,0.475 -202.075,2.41 -202.2,2.535 v1(-202.2,4.525) ; R167.1@-193.681,4.2 -193.681,4.175 -192.995,3.488 -192.745,3.488 v1(-192.706,3.45) U4.23@-191.277,3.45 ; U6.5@-138.243,4.99 -138.243,5.432 v1(-137.723,5.953) -137.347,5.953 -136.981,6.319 R136.1@-136.981,6.75 -136.981,6.775 -137.156,6.95 -137.7,6.95 -137.975,7.225 -137.975,7.5 -137.375,8.1 -136.064,8.1 -129.939,14.225 -112.647,14.225 -112.122,14.75 -45.564,14.75 -42.264,11.45 37.836,11.45 39.386,13 42.459,13 42.844,12.616 42.844,12.316 45.827,9.332 45.827,-0.916 44.693,-2.05 U5.82@43.025,-2.05
NetC29_2: C29.2 J_BOS.4 R135.1 U5.25 | length 335.8
  Top Layer w0.2: J_BOS.4@-225.296,-5.125 -224.901,-4.73 -218.427,-4.73 -216.517,-2.82 -214.912,-2.82 -209.91,2.181 -209.91,5.425 -210.341,5.856 -210.341,11.175 -209.506,12.01 -209.506,15.142 -208.424,16.224 -198.988,16.224 -197.996,15.231 -197.996,12.749 -195.421,10.174 -82.425,10.174 -74.576,2.325 -71.363,2.325 -68.425,5.263 -68.425,5.266 -67.82,5.871 -58.079,5.871 -57.47,5.263 -46.328,5.263 -41.341,10.25 38.108,10.25 42.733,5.625 48.503,5.625 48.853,5.275 61.692,5.275 62.479,4.488 69.307,4.488 v1(69.419,4.6)
  Bottom Layer w0.2: v1(61.403,5.325) 61.403,4.48 61.9,3.983 61.9,2.35 61.175,1.625 61.175,0.969 63.181,-1.037 64.45,-1.037 U5.25@64.463,-1.05 ; C29.2@67.319,4.6 R135.1@68.394,4.6 v1(69.419,4.6)
NetC34_1: C34.1 L2.1 U8.5
NetC34_2: C34.2 U8.6 | length 1.9
  Bottom Layer w0.2: U8.6@-223.722,-16.214 -223.525,-16.214 -222.531,-17.207 -222.531,-17.275 C34.2@-222.381,-17.425
NetC35_2: C35.2 D3.1 Q28.2 U8.2 U8.3
NetC36_2: C36.2 R151.1 R154.2 U8.1
NetD4_A: D4.A R152.1 | length 1.4
  Bottom Layer w0.2: R152.1@-206.856,-16.5 -205.453,-16.5 D4.A@-205.43,-16.477
NetD5_A: D5.A R155.1 | length 2.1
  Bottom Layer w0.2: R155.1@-224.556,18.475 -224.556,18.45 -224.381,18.275 -224.056,18.275 -223.055,17.273 D5.A@-223.055,17.198
NetD6_A: D6.A R168.1 | length 1.8
  Bottom Layer w0.2: R168.1@20.95,2.1 22.725,2.1 D6.A@22.775,2.05
NetDEVICE_ID_1: DEVICE_ID.1 R145.2 U5.45 | length 502.4
  Top Layer w0.2: DEVICE_ID.1@-207.706,15.643 -207.699,15.65 v1(-206.55,15.65) ; v1(58.078,-9.85) 58.078,-11.345 59.3,-12.567 59.3,-14.008 60.542,-15.25 105.734,-15.25 113.164,-7.82 115.688,-7.82 116.046,-7.463 116.046,-7.082 116.403,-6.725 117.194,-6.725 118.59,-8.12 156.039,-8.12 v1(159.869,-11.95)
  Int1 (GND) w0.2: v1(-206.55,15.65) -195.341,15.65 -193.606,13.916 -193.606,12.134 -192.022,10.55 -31.25,10.55 -28.1,7.4 22.7,7.4 25.05,9.75 55.288,9.75 56.887,8.15 65.52,8.15 66.22,8.85 74.853,8.85 75.803,7.9 106.225,7.9 110.4,3.725 125.659,3.725 128.809,0.575 138.517,0.575 141.067,-1.975 151.45,-1.975 156.5,-7.025 156.5,-8.581 v1(159.869,-11.95)
  Bottom Layer w0.2: v1(58.078,-9.85) 58.114,-9.85 58.454,-9.511 58.454,-8.558 U5.45@58.494,-8.519 ; R145.2@156.994,-16.525 156.994,-14.825 v1(159.869,-11.95)
NetDEVICE_ID_2: DEVICE_ID.2 R144.2 U5.46 | length 456.2
  Top Layer w0.2: DEVICE_ID.2@-207.706,14.373 -207.96,14.373 -208.906,13.427 -208.906,11.369 -209.741,10.534 -209.741,6.216 -209.3,5.775 -209.3,1.929 -196.671,-10.7 -170.167,-10.7 -169.117,-11.75 -106.203,-11.75 -105.273,-10.82 -30.676,-10.82 -23.521,-17.975 41.5,-17.975 42.2,-18.675 54.81,-18.675 56.9,-16.585 v1(56.9,-11.9)
  Bottom Layer w0.2: v1(56.9,-11.9) 56.9,-11.626 57.678,-10.848 57.678,-9.685 57.994,-9.369 U5.46@57.994,-8.519 57.994,-7.175 59.85,-5.319 59.85,7.014 61.828,8.992 61.828,9.899 64.068,12.139 75.198,12.139 76.234,13.175 77,13.175 78.15,14.325 108.859,14.325 109.684,13.5 113.066,13.5 113.141,13.425 127.041,13.425 127.266,13.65 137.83,13.65 139.755,11.725 146.027,11.725 148.502,14.201 159.548,14.201 159.958,13.791 159.958,11.254 156.144,7.44 156.144,2.94 155.844,2.64 155.844,-2.728 161.019,-7.903 161.019,-12.55 158.369,-15.2 R144.2@158.369,-16.525
NetDEVICE_ID_3: DEVICE_ID.3 R143.2 U5.47 | length 414.6
  Top Layer w0.2: DEVICE_ID.3@-207.706,13.103 -207.96,13.103 -208.541,12.522 -208.541,11.309 -209.441,10.409 -209.441,6.341 -209,5.899 -209,2.053 -196.672,-10.275 -170.168,-10.275 -168.993,-11.45 -106.327,-11.45 -105.398,-10.52 -30.552,-10.52 -29.447,-11.625 -21.6,-11.625 -17.025,-16.2 -10.191,-16.2 -8.916,-17.475 41.425,-17.475 42.325,-18.375 54.686,-18.375 56.475,-16.586 56.475,-10.669 v1(57.244,-9.9) 57.5,-9.9 57.778,-10.178 57.778,-11.611 58.825,-12.658 58.825,-13.957 62.643,-17.775 103.634,-17.775 110.309,-11.1 150.184,-11.1 152.334,-13.25 162.54,-13.25 162.64,-13.15 v1(162.694,-13.15)
  Bottom Layer w0.2: v1(57.244,-9.9) 57.244,-9.695 57.494,-9.445 U5.47@57.494,-8.519 ; R143.2@159.794,-16.525 159.794,-16.5 162.655,-13.638 162.655,-13.188 v1(162.694,-13.15)